# Altium PCB PA_8CH_CTRL.PcbDoc (part 2 of 11) (continued)
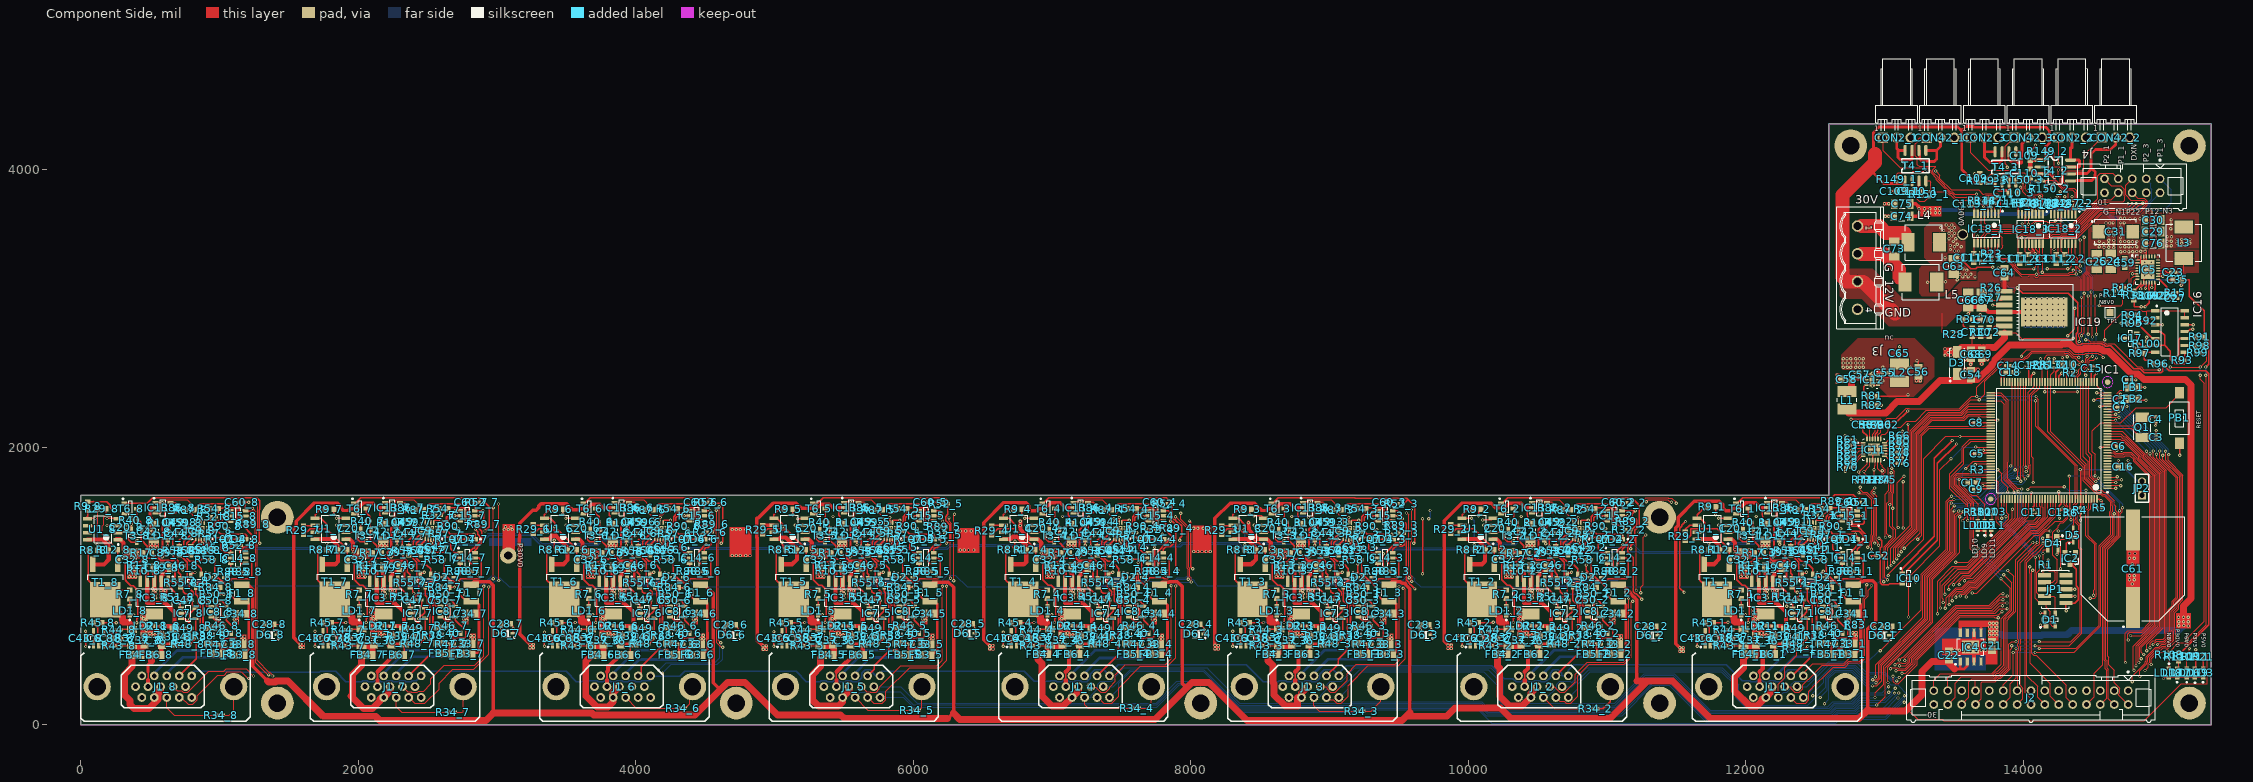
[diagram p0: Component Side view]
## Components (designator, comment, footprint, x,y, rotation, side; value= is the part's Value field where it differs from the comment) (continued)
R90_5 "82" RESC1005X40N 5999.63,1433.14 r90 top (schematic designator R90)
R90_6 "82" RESC1005X40N 4346.09,1433.14 r90 top (schematic designator R90)
R90_7 "82" RESC1005X40N 2692.54,1433.14 r90 top (schematic designator R90)
R90_8 "82" RESC1005X40N 1039,1432 r90 top (schematic designator R90)
R91 "56k" RESC1608X55N 15271.42,2798.8 r0 top
R92 "10k" RESC1005X40N 14888.78,2913.39 r90 top
R93 "10k" RESC1005X40N 15144.42,2626.8 r0 top
R94 "18k" RESC1608X55N 14783.46,2952.76 r180 top
R95 "13k" RESC1608X55N 14783.46,2893.7 r180 top
R96 "20k" RESC1608X55N 14971.46,2601.38 r0 top
R97 "1k" RESC1608X55N 14839.57,2677.17 r0 top
R98 "7k5" RESC1608X55N 15270.42,2732.8 r0 top
R99 "2k2" RESC1005X40N 15258.42,2681.8 r180 top
R100 "2k2" RESC1005X40N 14888.78,2746.06 r90 top
R101 "2k2" RESC1005X40N 13723,1537 r270 top
R102 "2k2" RESC1005X40N 13674,1534 r270 top
R103 "2k2" RESC1005X40N 13775,1537 r270 top
R104_1 "10k" RESC1005X40N 12241.17,1457.14 r0 top (schematic designator R104)
R104_2 "10k" RESC1005X40N 10548.26,1457.14 r0 top (schematic designator R104)
R104_3 "10k" RESC1005X40N 8894.72,1457.14 r0 top (schematic designator R104)
R104_4 "10k" RESC1005X40N 7241.17,1457.14 r0 top (schematic designator R104)
R104_5 "10k" RESC1005X40N 5587.63,1457.14 r0 top (schematic designator R104)
R104_6 "10k" RESC1005X40N 3934.09,1457.14 r0 top (schematic designator R104)
R104_7 "10k" RESC1005X40N 2280.54,1457.14 r0 top (schematic designator R104)
R104_8 "10k" RESC1005X40N 627,1456 r0 top (schematic designator R104)
R107_1 "330" RESC1608X55N 12659.37,1338.94 r180 top (schematic designator R107)
R107_2 "330" RESC1608X55N 10966.46,1338.94 r180 top (schematic designator R107)
R107_3 "330" RESC1608X55N 9312.91,1338.94 r180 top (schematic designator R107)
R107_4 "330" RESC1608X55N 7659.37,1338.94 r180 top (schematic designator R107)
R107_5 "330" RESC1608X55N 6005.83,1338.94 r180 top (schematic designator R107)
R107_6 "330" RESC1608X55N 4352.28,1338.94 r180 top (schematic designator R107)
R107_7 "330" RESC1608X55N 2698.74,1338.94 r180 top (schematic designator R107)
R107_8 "330" RESC1608X55N 1045.2,1337.8 r180 top (schematic designator R107)
R108 "10k" RESC1005X40N 15050.4,505.18 r270 top
R109 "10k" RESC1005X40N 15178.35,495.34 r270 top
R110 "56k" RESC1608X55N 15118.11,492.13 r90 top
R111 "2k2" RESC1005X40N 15242.05,491.21 r90 top
R112 "10k" RESC1005X40N 14221,2595 r90 top
R113 "10k" RESC1005X40N 14177,2595 r90 top
R147_1 "10k" RESC1005X40N 13795.28,3778.35 r90 top (schematic designator R147)
R147_2 "10k" RESC1005X40N 14351.38,3759.84 r90 top (schematic designator R147)
R147_3 "10k" RESC1005X40N 14118.11,3763.78 r90 top (schematic designator R147)
R148_1 "10k" RESC1005X40N 13748.03,3778.35 r90 top (schematic designator R148)
R148_2 "10k" RESC1005X40N 14299.21,3759.84 r90 top (schematic designator R148)
R148_3 "10k" RESC1005X40N 14063.98,3762.8 r90 top (schematic designator R148)
R149_1 "10k" RESC1005X40N 13088.58,3931.1 r270 top (schematic designator R149)
R149_2 "10k" RESC1005X40N 14171.26,4132.87 r180 top (schematic designator R149)
R149_3 "10k" RESC1005X40N 13737.2,3921.26 r270 top (schematic designator R149)
R150_1 "10k" RESC1005X40N 13321.85,3824.8 r270 top (schematic designator R150)
R150_2 "10k" RESC1005X40N 14185,3865 r0 top (schematic designator R150)
R150_3 "10k" RESC1005X40N 13994.09,3929.13 r90 top (schematic designator R150)
T1_1 "MJD2955G" TO228P991X239-3N-R552X520 11791.73,994.33 r270 top (schematic designator T1)
T1_2 "MJD2955G" TO228P991X239-3N-R552X520 10098.82,994.33 r270 top (schematic designator T1)
T1_3 "MJD2955G" TO228P991X239-3N-R552X520 8445.28,994.33 r270 top (schematic designator T1)
T1_4 "MJD2955G" TO228P991X239-3N-R552X520 6791.73,994.33 r270 top (schematic designator T1)
T1_5 "MJD2955G" TO228P991X239-3N-R552X520 5138.19,994.33 r270 top (schematic designator T1)
T1_6 "MJD2955G" TO228P991X239-3N-R552X520 3484.65,994.33 r270 top (schematic designator T1)
T1_7 "MJD2955G" TO228P991X239-3N-R552X520 1831.1,994.33 r270 top (schematic designator T1)
T1_8 "MJD2955G" TO228P991X239-3N-R552X520 177.56,993.19 r270 top (schematic designator T1)
T2_1 "BSS138LT1G" SOT95P240X110-3N 12444.17,1040 r270 top (schematic designator T2)
T2_2 "BSS138LT1G" SOT95P240X110-3N 10751.26,1040 r270 top (schematic designator T2)
T2_3 "BSS138LT1G" SOT95P240X110-3N 9097.72,1040 r270 top (schematic designator T2)
T2_4 "BSS138LT1G" SOT95P240X110-3N 7444.17,1040 r270 top (schematic designator T2)
T2_5 "BSS138LT1G" SOT95P240X110-3N 5790.63,1040 r270 top (schematic designator T2)
T2_6 "BSS138LT1G" SOT95P240X110-3N 4137.09,1040 r270 top (schematic designator T2)
T2_7 "BSS138LT1G" SOT95P240X110-3N 2483.54,1040 r270 top (schematic designator T2)
T2_8 "BSS138LT1G" SOT95P240X110-3N 830,1038.86 r270 top (schematic designator T2)
T3_1 "BSS138LT1G" SOT95P240X110-3N 12017.17,1364.14 r270 top (schematic designator T3)
T3_2 "BSS138LT1G" SOT95P240X110-3N 10324.26,1364.14 r270 top (schematic designator T3)
T3_3 "BSS138LT1G" SOT95P240X110-3N 8670.72,1364.14 r270 top (schematic designator T3)
T3_4 "BSS138LT1G" SOT95P240X110-3N 7017.17,1364.14 r270 top (schematic designator T3)
T3_5 "BSS138LT1G" SOT95P240X110-3N 5363.63,1364.14 r270 top (schematic designator T3)
T3_6 "BSS138LT1G" SOT95P240X110-3N 3710.09,1364.14 r270 top (schematic designator T3)
T3_7 "BSS138LT1G" SOT95P240X110-3N 2056.54,1364.14 r270 top (schematic designator T3)
T3_8 "BSS138LT1G" SOT95P240X110-3N 403,1363 r270 top (schematic designator T3)
T4_1 "IRF7304PBF" so-8 13147.64,3920.28 r90 top (schematic designator T4)
T4_2 "IRF7304PBF" so-8 14120,4070 r0 top (schematic designator T4)
T4_3 "IRF7304PBF" so-8 13796.26,3910.43 r90 top (schematic designator T4)
T6_1 "BSS138LT1G" SOT95P240X110-3N 11973.82,1559.29 r0 top (schematic designator T6)
T6_2 "BSS138LT1G" SOT95P240X110-3N 10280.91,1559.29 r0 top (schematic designator T6)
T6_3 "BSS138LT1G" SOT95P240X110-3N 8627.36,1559.29 r0 top (schematic designator T6)
T6_4 "BSS138LT1G" SOT95P240X110-3N 6973.82,1559.29 r0 top (schematic designator T6)
T6_5 "BSS138LT1G" SOT95P240X110-3N 5320.28,1559.29 r0 top (schematic designator T6)
T6_6 "BSS138LT1G" SOT95P240X110-3N 3666.73,1559.29 r0 top (schematic designator T6)
T6_7 "BSS138LT1G" SOT95P240X110-3N 2013.19,1559.29 r0 top (schematic designator T6)
T6_8 "BSS138LT1G" SOT95P240X110-3N 359.65,1558.15 r0 top (schematic designator T6)
TP1 "Test Point" TPS127 14625.98,2972.44 r0 top
U1_1 "UC3836D" D0008A_M 11760.24,1413.62 r180 top (schematic designator U1)
U1_2 "UC3836D" D0008A_M 10067.32,1413.62 r180 top (schematic designator U1)
U1_3 "UC3836D" D0008A_M 8413.78,1413.62 r180 top (schematic designator U1)
U1_4 "UC3836D" D0008A_M 6760.24,1413.62 r180 top (schematic designator U1)
U1_5 "UC3836D" D0008A_M 5106.69,1413.62 r180 top (schematic designator U1)
U1_6 "UC3836D" D0008A_M 3453.15,1413.62 r180 top (schematic designator U1)
U1_7 "UC3836D" D0008A_M 1799.61,1413.62 r180 top (schematic designator U1)
U1_8 "UC3836D" D0008A_M 159,1410 r180 top (schematic designator U1)

## Footprints (in the part's own frame and the unit in brackets; to place one, negate y for a bottom-side part, rotate by r counter-clockwise, add the part's x,y. Pads: shape width x height; smd on the part's side, far side on the other; paste and mask are expansions set on the pad)
3M_N2510-6003RB [mm] "10 Contacts - Straight .100\" x .100\" Low Profile Four-Wall Header (Solder Tail 3.94mm)"
  round 1.6 hole 1: 1(-5.08,-1.27) 2(-5.08,1.27) 3(-2.54,-1.27) 4(-2.54,1.27) 5(0,-1.27) 6(0,1.27) 7(2.54,-1.27) 8(2.54,1.27) 9(5.08,-1.27) 10(5.08,1.27)
  silkscreen extent -10.01,-4.85 10.01,4.52, body extent -10.01,-4.11 10.01,4.52, height 9.91
3M_N2530-6002RB [mm] "30 Contacts - Straight .100\" x .100\" Low Profile Four-Wall Header"
  round 1.6 hole 1: 1(-17.78,-1.27) 2(-17.78,1.27) 3(-15.24,-1.27) 4(-15.24,1.27) 5(-12.7,-1.27) 6(-12.7,1.27) 7(-10.16,-1.27) 8(-10.16,1.27) 9(-7.62,-1.27) 10(-7.62,1.27) 11(-5.08,-1.27) 12(-5.08,1.27) 13(-2.54,-1.27) 14(-2.54,1.27) 15(0,-1.27) 16(0,1.27) 17(2.54,-1.27) 18(2.54,1.27) 19(5.08,-1.27) 20(5.08,1.27) 21(7.62,-1.27) 22(7.62,1.27) 23(10.16,-1.27) 24(10.16,1.27) 25(12.7,-1.27) 26(12.7,1.27) 27(15.24,-1.27) 28(15.24,1.27) 29(17.78,-1.27) 30(17.78,1.27)
  silkscreen extent -22.71,-4.85 22.71,4.52, body extent -22.71,-4.11 22.71,4.52, height 9.91
CAPAE1900X1680N [mm] "Capacitor,Aluminum Electrolytic; 19.00mm L X 19.00mm W X 16.80mm H , IPC Medium Density"
  rect 7.5x2.5 smd: 1(-7.1,0) 2(7.1,0)
  silkscreen extent -10.72,-9.5 9.5,9.5, body extent -10.5,-9.6 10.5,9.6, height 16.8
CAPC0603X33N [mm] "Chip Capacitor, Body 0.6x0.30mm, IPC Medium Density"
  rect 0.45x0.4 smd: 1(-0.35,0) 2(0.35,0)
  body extent -0.31,-0.16 0.32,0.17, height 0.33
CAPC1005X55N [mm] "Chip Capacitor, Body 1.0x0.55mm, IPC Medium Density"
  rect 0.62x0.62 smd: 1(-0.45,0) 2(0.45,0)
  body extent -0.52,-0.27 0.53,0.28, height 0.55
CAPC1608X87N [mm] "Chip Capacitor, Body 1.6x0.8mm IPC Medium Density"
  rect 0.95x1 smd: 1(-0.8,0) 2(0.8,0)
  body extent -0.87,-0.47 0.88,0.48, height 0.87
CAPC1608X90N [mm] "Chip Capacitor, Body 1.6x0.8mm IPC Medium Density"
  rect 0.95x0.95 smd: 1(-0.75,0) 2(0.75,0)
  body extent -0.85,-0.45 0.85,0.45, height 0.9
CAPC2012X110N [mm] "Chip Capacitor, Body 2.0x1.25mm, IPC Medium Density"
  rect 1.15x1.45 smd: 1(-0.9,0) 2(0.9,0)
  silkscreen extent 0,-0.58 0,0.58, body extent -1.05,-0.67 1.05,0.68, height 1.1
CAPC2012X135N [mm] "Chip Capacitor, Body 2.0x1.25mm, IPC Medium Density"
  rect 1.05x1.4 smd: 1(-0.9,0) 2(0.9,0)
  silkscreen extent 0,-0.58 0,0.58, body extent -1.05,-0.67 1.05,0.68, height 1.25
CAPC2012X140N [mm] "Chip Capacitor, Body 2.0x1.25mm, IPC Medium Density"
  rect 1.15x1.45 smd: 1(-0.9,0) 2(0.9,0)
  silkscreen extent 0,-0.58 0,0.58, body extent -1.05,-0.67 1.05,0.68, height 1.3
CAPC3216X140N [mm] "Chip Capacitor, Body 3.2x1.6mm, IPC Medium Density"
  rect 1.15x1.8 smd: 1(-1.5,0) 2(1.5,0)
  silkscreen extent -0.5,-0.9 0.5,0.9, body extent -1.7,-0.9 1.7,0.9, height 1.4
CAPC3216X180N [mm] "Chip Capacitor, Body 3.2x1.6mm, IPC Medium Density"
  rect 1.15x1.8 smd: 1(-1.5,0) 2(1.5,0)
  silkscreen extent -0.55,-0.8 0.55,0.8, body extent -1.7,-0.9 1.7,0.9, height 1.8
CAPC3216X190N [mm] "Chip Capacitor, Body 3.2x1.6mm, IPC Medium Density"
  rect 1.45x1.9 smd: 1(-1.4,0) 2(1.4,0)
  silkscreen extent -0.3,-0.95 0.3,0.95, body extent -1.75,-0.95 1.75,0.95, height 1.9
CAPMP7343X310N [mm] "Capacitor, Polarized, Molded  Body 7.3x4.3mm, IPC Medium Density"
  rect 2.35x2.45 smd: 1(-3.1,0) 2(3.1,0)
  silkscreen extent -4.42,-2.3 3.8,2.3, body extent -3.8,-2.3 3.8,2.3, height 3.1
D0008A_M [mm] "SOIC, 8-Leads, Body 5x4mm, Pitch 1.27mm, IPC Low Density"
  rrect15% 1.65x0.65 smd: 1(-2.825,1.905) 2(-2.825,0.635) 3(-2.825,-0.635) 4(-2.825,-1.905) 5(2.825,-1.905) 6(2.825,-0.635) 7(2.825,0.635) 8(2.825,1.905)
  silkscreen extent -2.95,-2.5 1.6,2.9, body extent -3,-2.45 3,2.45, height 1.63
DIOM5127X229N [mm] "DO-214-AC/SMA Molded Diode, 2-Leads, Body 5.1x2.7mm, IPC Medium Density"
  rect 2.2x1.55 smd: 1(-2.05,0) 2(2.05,0)
  silkscreen extent -3.42,-1.4 2.65,1.45, body extent -2.67,-1.45 2.68,1.45, height 2.29
FUSRC3226X85N [mm] "Chip Resettable Fuse, 2-Leads, Body 3.2mm x 2.6mm, IPC Medium Density"
  rect 1.2x2.8 smd: 1(-1.5,0) 2(1.5,0)
  silkscreen extent -0.55,-1.3 0.55,1.3, body extent -1.7,-1.4 1.7,1.4, height 0.85
IND_MURATA-PS_8400 [mm] "Miniature Surface Mount Power Inductors, 4.5mm L X 3.3mm W X 2.9mm H, MURATA 8400 Serie"
  rect 2x3.5 smd: 1(-1.6,0) 2(1.6,0)
  silkscreen extent -0.3,-1.8 0.3,1.8, body extent -2.4,-1.8 2.4,1.8, height 2.9
INDC2012X105N [mm] "Chip Inductor, EIA 0805, Metric 2012, Body 2.0x1.25mm, IPC Medium Density"
  rect 1.15x1.45 smd: 1(-0.9,0) 2(0.9,0)
  silkscreen extent 0,-0.6 0,0.6, body extent -1.1,-0.7 1.1,0.7, height 1.1
INDM6965X300N [mm] "Inductor Molded Body, Body 6.86mm L X 6.47mm W X 3mm H, IPC Medium Density"
  rect 2.4x3.4 smd: 1(-2.9,0) 2(2.9,0)
  silkscreen extent -3.4,-3.25 3.4,3.25, body extent -3.62,-3.36 3.62,3.36, height 3
jump [mm]
  rect 1.5x1.5 hole 0.965: 1(0,0)
  round 1.5 hole 0.965: 2(0,-2.54)
  silkscreen extent -1.2,-3.81 1.2,1.27, body extent -1.26,-3.84 1.19,1.24, height 8
LED_KINGBRIGHT_KPH-1608CGCK [mm] "SMT Green LED, Case 0603, Body L 1.6 x W 0.8mm H 0.65mm"
  rect 0.8x0.8 smd: 1(-0.825,0) 2(0.825,0)
  silkscreen extent -1.82,-0.4 0.08,0.4, body extent -0.8,-0.4 0.8,0.4, height 0.65
LED_KINGBRIGHT_KPH-1608SURCK [mm] "SMT Hyper Red LED, Case 0603, Body L 1.6 x W 0.8mm H 0.65mm"
  rect 0.8x0.8 smd: 1(-0.825,0) 2(0.825,0)
  silkscreen extent -1.83,-0.4 0.08,0.4, body extent -0.8,-0.4 0.8,0.4, height 0.65
LED_OSRAM_LGL29K [mm] "Green Chip LED, 2-Leads, Body 1.7x0.8mm, IPC Medium Density"
  rect 0.8x0.8 smd: 1(-0.8,0) 2(0.8,0)
  silkscreen extent -1.92,-0.4 0.1,0.4, body extent -0.85,-0.4 0.85,0.4, height 0.67
MOLEX_22-05-7038 [mm] "2.54mm (.100\") Pitch KK® Wire-To-Board Header, Right Angle, With Friction Lock, 3 Circuits"
  rect 1.9x1.9 hole 1.2: 1(-2.54,0)
  round 1.9 hole 1.2: 2(0,-0.005) 3(2.54,0)
  silkscreen extent -3.81,1.3 3.81,14.42, body extent -3.81,-0.32 3.81,14.42, height 5.84
PB_TYCO_FSMSM [mm] "Body 3.5x6.0mm, Pushbutton Switch,  TYCO FSMSM Serie"
  rect 2.1x1.6 smd: 1(-4.65,0) 2(4.65,0)
  silkscreen extent -3,-1.75 3,1.75, body extent -5,-1.75 5,1.75, height 4.3
PHOENIX_1755752 [mm] "PCB Header, 12A 250 V, Pitch: 2.54mm, 4 Positions, MSTBVA Serie"
  round 2.1 hole 1.4: 1(-7.62,0) 2(-2.54,0) 3(2.54,0) 4(7.62,0)
  silkscreen extent -11.16,-3.84 11.16,4.77, body extent -11.16,-3.83 11.16,4.77, height 12
PLHTD10S-TR-CV [mm] "SMT 1.27 mm dual goldpin"
  rect 0.76x2.4 smd: 1(-5.715,-1.95) 2(-5.715,1.95) 3(-4.445,-1.95) 4(-4.445,1.95) 5(-3.175,-1.95) 6(-3.175,1.95) 7(-1.905,-1.95) 8(-1.905,1.95) 9(-0.635,-1.95) 10(-0.635,1.95)
  silkscreen extent -6.7,-2.58 0.3,2.5, body extent -6.5,-2.15 0.1,2.15, height 4.5
QFN50P400X400X100-25N-S220 [mm] "QFN, 0.50mm Pitch, Square; 24 Pin, 4.00mm L X 4.00mm W X 1.00mm H body (w/thermal tab 2.2 X 2.2mm), IPC Medium Density"
  oval 0.9x0.3 smd: 1(-1.95,1.25) 2(-1.95,0.75) 3(-1.95,0.25) 4(-1.95,-0.25) 5(-1.95,-0.75) 6(-1.95,-1.25) 13(1.95,-1.25) 14(1.95,-0.75) 15(1.95,-0.25) 16(1.95,0.25) 17(1.95,0.75) 18(1.95,1.25)
  oval 0.3x0.9 smd: 7(-1.25,-1.95) 8(-0.75,-1.95) 9(-0.25,-1.95) 10(0.25,-1.95) 11(0.75,-1.95) 12(1.25,-1.95) 19(1.25,1.95) 20(0.75,1.95) 21(0.25,1.95) 22(-0.25,1.95) 23(-0.75,1.95) 24(-1.25,1.95)
  rect 2.2x2.2 smd: 25(0,0)
  silkscreen extent -3.12,-2 2,2, body extent -2.07,-2.07 2.08,2.08, height 1
QFN50P400X500X80_HS-29N [mm] "QFN, 28-Leads, Body 4,00x5,00mm, Pitch 0,50mm, Thermal Pad 2,75x3,75mm, IPC Medium Density"
  oval 0.75x0.25 smd: 1(-1.9,1.75) 2(-1.9,1.25) 3(-1.9,0.75) 4(-1.9,0.25) 5(-1.9,-0.25) 6(-1.9,-0.75) 7(-1.9,-1.25) 8(-1.9,-1.75) 15(1.9,-1.75) 16(1.9,-1.25) 17(1.9,-0.75) 18(1.9,-0.25) 19(1.9,0.25) 20(1.9,0.75) 21(1.9,1.25) 22(1.9,1.75)
  oval 0.25x0.75 smd: 9(-1.25,-2.4) 10(-0.75,-2.4) 11(-0.25,-2.4) 12(0.25,-2.4) 13(0.75,-2.4) 14(1.25,-2.4) 23(1.25,2.4) 24(0.75,2.4) 25(0.25,2.4) 26(-0.25,2.4) 27(-0.75,2.4) 28(-1.25,2.4)
  rect 2.54x3.556 smd: 29(0,0)
  silkscreen extent -2.97,-2.7 2.2,2.7, body extent -2.05,-2.55 2.05,2.55, height 0.8
QFP50P2200X2200X160-144N [mm] "QFP, 144-Leads, Body 20x20mm (BSC), Pitch 0.50mm, IPC Medium Density"
  rect 1.5x0.3 smd: 1(-10.7,8.75) 2(-10.7,8.25) 3(-10.7,7.75) 4(-10.7,7.25) 5(-10.7,6.75) 6(-10.7,6.25) 7(-10.7,5.75) 8(-10.7,5.25) 9(-10.7,4.75) 10(-10.7,4.25) 11(-10.7,3.75) 12(-10.7,3.25) 13(-10.7,2.75) 14(-10.7,2.25) 15(-10.7,1.75) 16(-10.7,1.25) 17(-10.7,0.75) 18(-10.7,0.25) 19(-10.7,-0.25) 20(-10.7,-0.75) 21(-10.7,-1.25) 22(-10.7,-1.75) 23(-10.7,-2.25) 24(-10.7,-2.75) 25(-10.7,-3.25) 26(-10.7,-3.75) 27(-10.7,-4.25) 28(-10.7,-4.75) 29(-10.7,-5.25) 30(-10.7,-5.75) 31(-10.7,-6.25) 32(-10.7,-6.75) 33(-10.7,-7.25) 34(-10.7,-7.75) 35(-10.7,-8.25) 36(-10.7,-8.75) 73(10.7,-8.75) 74(10.7,-8.25) 75(10.7,-7.75) 76(10.7,-7.25) 77(10.7,-6.75) 78(10.7,-6.25) 79(10.7,-5.75) 80(10.7,-5.25) 81(10.7,-4.75) 82(10.7,-4.25) 83(10.7,-3.75) 84(10.7,-3.25) 85(10.7,-2.75) 86(10.7,-2.25) 87(10.7,-1.75) 88(10.7,-1.25) 89(10.7,-0.75) 90(10.7,-0.25) 91(10.7,0.25) 92(10.7,0.75) 93(10.7,1.25) 94(10.7,1.75) 95(10.7,2.25) 96(10.7,2.75) 97(10.7,3.25) 98(10.7,3.75) 99(10.7,4.25) 100(10.7,4.75) 101(10.7,5.25) 102(10.7,5.75) 103(10.7,6.25) 104(10.7,6.75) 105(10.7,7.25) 106(10.7,7.75) 107(10.7,8.25) 108(10.7,8.75)
  rect 0.3x1.5 smd: 37(-8.75,-10.7) 38(-8.25,-10.7) 39(-7.75,-10.7) 40(-7.25,-10.7) 41(-6.75,-10.7) 42(-6.25,-10.7) 43(-5.75,-10.7) 44(-5.25,-10.7) 45(-4.75,-10.7) 46(-4.25,-10.7) 47(-3.75,-10.7) 48(-3.25,-10.7) 49(-2.75,-10.7) 50(-2.25,-10.7) 51(-1.75,-10.7) 52(-1.25,-10.7) 53(-0.75,-10.7) 54(-0.25,-10.7) 55(0.25,-10.7) 56(0.75,-10.7) 57(1.25,-10.7) 58(1.75,-10.7) 59(2.25,-10.7) 60(2.75,-10.7) 61(3.25,-10.7) 62(3.75,-10.7) 63(4.25,-10.7) 64(4.75,-10.7) 65(5.25,-10.7) 66(5.75,-10.7) 67(6.25,-10.7) 68(6.75,-10.7) 69(7.25,-10.7) 70(7.75,-10.7) 71(8.25,-10.7) 72(8.75,-10.7) 109(8.75,10.7) 110(8.25,10.7) 111(7.75,10.7) 112(7.25,10.7) 113(6.75,10.7) 114(6.25,10.7) 115(5.75,10.7) 116(5.25,10.7) 117(4.75,10.7) 118(4.25,10.7) 119(3.75,10.7) 120(3.25,10.7) 121(2.75,10.7) 122(2.25,10.7) 123(1.75,10.7) 124(1.25,10.7) 125(0.75,10.7) 126(0.25,10.7) 127(-0.25,10.7) 128(-0.75,10.7) 129(-1.25,10.7) 130(-1.75,10.7) 131(-2.25,10.7) 132(-2.75,10.7) 133(-3.25,10.7) 134(-3.75,10.7) 135(-4.25,10.7) 136(-4.75,10.7) 137(-5.25,10.7) 138(-5.75,10.7) 139(-6.25,10.7) 140(-6.75,10.7) 141(-7.25,10.7) 142(-7.75,10.7) 143(-8.25,10.7) 144(-8.75,10.7)
  round 1 smd paste-0.51 mask+0.5: FTG1(-10.7,-10.7) FTG2(10.7,10.7)
  Component Side keep-out circle w0.1: c10.7,10.7 r1
  Component Side keep-out circle w0.1: c-10.7,-10.7 r1
  silkscreen extent -10.82,-9.55 9.55,9.57, body extent -11,-11 11,11, height 1.6
RESC1005X40N [mm] "Chip Resistor, EIA 0402, Metric 1005, Body 1.0x0.5mm, IPC Medium Density"
  rect 0.58x0.62 smd: 1(-0.47,0) 2(0.47,0)
  body extent -0.52,-0.27 0.53,0.28, height 0.4
RESC1608X55N [mm] "Chip Resistor, EIA 0603, Metric 1608, Body 1.6x0.8mm, IPC Medium Density"
  rect 0.9x1 smd: 1(-0.8,0) 2(0.8,0)
  body extent -0.87,-0.47 0.88,0.48, height 0.55
RESC3216X65N [mm] "Chip Resistor, EIA 1206, Metric 3216, Body 3.2x1.6mm, IPC Medium Density"
  rect 1.15x1.8 smd: 1(-1.45,0) 2(1.45,0)
  silkscreen extent -0.5,-0.9 0.5,0.9, body extent -1.67,-0.87 1.68,0.88, height 0.65
RESC3216X80N [mm] "Chip Resistor, EIA 1206, Metric 3216, Body 3.2x1.6mm, IPC Medium Density"
  rect 1.25x1.85 smd: 1(-1.5,0) 2(1.5,0)
  silkscreen extent -0.5,-0.8 0.5,0.8, body extent -1.67,-0.87 1.68,0.88, height 0.8
so-8 [mil]
  oval 80x24 smd: 1(0,0) 2(0,-50) 3(0,-100) 4(0,-150) 5(220,-150) 6(220,-100) 7(220,-50) 8(220,0)
  silkscreen extent 60,-175 160,25, body extent -14,-173 230,24, height 69
SOD2512X110N [mm] "Small Outline Diode Flat Lead (SOD-323), 1.70mm W X 1.25mm L X 1.10mm H body,  IPC Medium Density"
  rect 0.9x0.5 smd: 1(-1.3,0) 2(1.3,0)
  silkscreen extent -1.62,-0.65 0.85,0.87, body extent -1.35,-0.67 1.35,0.68, height 1.1
SOIC127P600X175-9N-R241X309 [mm] "SOIC 8, Pitch 1.27mm - Body 3.9x4.9mm, (w/thermal tab 2.41mm X 3.098mm), IPC Medium Density"
  rect 1.55x0.6 smd: 1(-2.65,1.905) 2(-2.65,0.635) 3(-2.65,-0.635) 4(-2.65,-1.905) 5(2.65,-1.905) 6(2.65,-0.635) 7(2.65,0.635) 8(2.65,1.905)
  rect 2.41x3.098 smd: 9(0,0)
  silkscreen extent -3.27,-2.45 1.5,2.87, body extent -3.1,-2.5 3.1,2.5, height 1.75
SOIC127P600X175-14N [mm] "SOIC 14, Pitch 1.27mm - Body 4x8.75mm, IPC Medium Density"
  rect 1.55x0.6 smd: 1(-2.7,3.81) 2(-2.7,2.54) 3(-2.7,1.27) 4(-2.7,0) 5(-2.7,-1.27) 6(-2.7,-2.54) 7(-2.7,-3.81) 8(2.7,-3.81) 9(2.7,-2.54) 10(2.7,-1.27) 11(2.7,0) 12(2.7,1.27) 13(2.7,2.54) 14(2.7,3.81)
  silkscreen extent -2.52,-4.4 1.55,4.78, body extent -3.1,-4.37 3.1,4.38, height 1.75
SON50P200X300X80-11N-R94X250 [mm] "SON, 10-Leads, Body 2x3mm, Pitch 0.5mm, Thermal Pad 0.94x2.5mm, IPC Medium Density"
  rect 0.7x0.3 smd: 1(-1.05,1) 2(-1.05,0.5) 3(-1.05,0) 4(-1.05,-0.5) 5(-1.05,-1) 6(1.05,-1) 7(1.05,-0.5) 8(1.05,0) 9(1.05,0.5) 10(1.05,1)
  rect 0.94x2.5 smd: 11(0,0)
  silkscreen extent -1.5,-1.55 1.05,1.6, body extent -1.05,-1.55 1.05,1.55, height 0.8
SOP63P600X175-16N [mm] "SOP, 0.635mm pitch; 16 pin, 3.9mm W X 4.895mm L X 1.75mm H Body, IPC Medium Density"
  rect 1.55x0.4 smd: 1(-2.7,2.222) 2(-2.7,1.587) 3(-2.7,0.952) 4(-2.7,0.317) 5(-2.7,-0.318) 6(-2.7,-0.953) 7(-2.7,-1.588) 8(-2.7,-2.223) 9(2.7,-2.222) 10(2.7,-1.587) 11(2.7,-0.952) 12(2.7,-0.317) 13(2.7,0.318) 14(2.7,0.953) 15(2.7,1.588) 16(2.7,2.223)
  silkscreen extent -3.32,-2.45 1.6,3.08, body extent -3.13,-2.49 3.13,2.49, height 1.75
SOT95P237X112-3N [mm] "SOT, 0.95mm, pitch; 3 pin,1.30mm W X 2.92mm L X 1.12mm H body, IPC Medium Density"
  rect 1.05x0.6 smd: 1(-1.15,0.95) 2(-1.15,-0.95) 3(1.15,0)
  silkscreen extent -1.53,-1.45 0.3,1.87, body extent -1.25,-1.5 1.25,1.5, height 1.1
SOT95P240X110-3N [mm] "SOT23 3-Leads, Pitch 0.95mm, Body 1.3x2.9mm, IPC Medium Density"
  rect 1.05x0.65 smd: 1(-1.15,0.95) 2(-1.15,-0.95) 3(1.15,0)
  silkscreen extent -1.52,-1.45 0.3,1.92, body extent -1.25,-1.5 1.25,1.5, height 1.1
SOT95P251X112-3N [mm] "SOT23 3-Leads, Pitch 0.95mm - Body 1.3x2.9mm, IPC Medium Density"
  rect 1.05x0.65 smd: 1(-1.2,0.95) 2(-1.2,-0.95) 3(1.2,0)
  silkscreen extent -1.57,-1.45 0.35,1.92, body extent -1.27,-1.5 1.27,1.5, height 1.12
SOT95P280X100-5N [mm] "SOT23, 0.95mm pitch; 5 pin, 1.625mm W X 2.9mm L, IPC Medium"
  rect 1.1x0.55 smd: 1(-1.35,0.95) 2(-1.35,0) 3(-1.35,-0.95) 4(1.35,-0.95) 5(1.35,0.95)
  silkscreen extent -1.77,-1.45 0.48,1.87, body extent -1.4,-1.5 1.4,1.5, height 1
SOT95P280X145-5N [mm] "SOT, 0.95mm pitch; 5 pin, 1.60mm W X 2.90mm L X 1.45mm H body, IPC Medium Density"
  rect 1.1x0.6 smd: 1(-1.3,0.95) 2(-1.3,0) 3(-1.3,-0.95) 4(1.3,-0.95) 5(1.3,0.95)
  silkscreen extent -1.72,-1.45 0.43,1.87, body extent -1.4,-1.5 1.4,1.5, height 1.45
SOT95P280X145-6N [mm] "SOT23, 6-Leads, Body 1.6x3.0mm, Pitch 0.95mm, IPC Medium Density"
  rect 1.05x0.6 smd: 1(-1.35,0.95) 2(-1.35,0) 3(-1.35,-0.95) 4(1.35,-0.95) 5(1.35,0) 6(1.35,0.95)
  silkscreen extent -1.77,-1.55 0.45,1.92, body extent -1.4,-1.5 1.4,1.5, height 1.45
SOT127P700X180-6N [mm] "SOT223, 6-Leads, Body 6.6x7.3mm (max), Pitch 1.27mm, IPC Medium Density"
  rect 2.05x0.65 smd: 1(-3,2.54) 2(-3,1.27) 3(-3,0) 4(-3,-1.27) 5(-3,-2.54)
  rect 2.05x3.2 smd: 6(3,0)
  silkscreen extent -3.92,-3.3 1.6,3.53, body extent -3.68,-3.27 3.68,3.28, height 1.8
SOT190P230X110-4N [mm] "SOT143, SOT, 1.90mm Pitch; 4 Pin, 1.30mm W X 2.90mm L X 1.10mm H body, IPC Medium Density"
  rect 1x1 smd: 1(-1.15,0.75)
  rect 1x0.6 smd: 2(-1.15,-0.95) 3(1.15,-0.95) 4(1.15,0.95)
  silkscreen extent -1.52,-1.45 0.33,1.87, body extent -1.25,-1.5 1.25,1.5, height 1.1
SOT-23 [mil]
  rect 36x36 smd: 1(0,0) 2(75,0)
  rect 36x50 smd: 3(38,80)
  silkscreen extent -20,-5 95,85, body extent -21,-5 97,93, height 47
"TEXAS_TO-PMOD (NDW)" [mm] "TEXAS Package TO-PMOD (NDW), 1.27mm pitch; 9.85mm X 10.16mm X4.57m body"
  rect 3.06x0.89 smd: 1(-5.7,3.81) 2(-5.7,2.54) 3(-5.7,1.27) 4(-5.7,0) 5(-5.7,-1.27) 6(-5.7,-2.54) 7(-5.7,-3.81)
  rect 8.54x5.35 smd: 8(1.605,0)
  silkscreen extent -3.42,-5.08 6.89,5.08, body extent -6.88,-5.08 6.89,5.08, height 4.77
TI-RTE16-1700X1700TP_V [mm] "QFN, 16-Leads, Body 3x3mm, Pitch 0.5mm, Thermal Pad 1.7x1.7mm"
  oval 0.85x0.28 smd: 1(-1.475,0.75) 2(-1.475,0.25) 3(-1.475,-0.25) 4(-1.475,-0.75) 9(1.475,-0.75) 10(1.475,-0.25) 11(1.475,0.25) 12(1.475,0.75)
  oval 0.28x0.85 smd: 5(-0.75,-1.475) 6(-0.25,-1.475) 7(0.25,-1.475) 8(0.75,-1.475) 13(0.75,1.475) 14(0.25,1.475) 15(-0.25,1.475) 16(-0.75,1.475)
  rect 1.7x1.7 smd: 17(0,0)
  silkscreen extent -2.35,-1.57 1.57,1.58, body extent -1.5,-1.5 1.5,1.5, height 0.8
TO228P991X239-3N-R552X520 [mm] "TO-252AA DPAK TO, 2.28mm pitch; 2 pin,9.905mm L X 6.095mm W X 2.39mm H body, IPC Medium Density"
  rect 2.85x1 smd: 1(-4.15,2.28) 2(-4.15,-2.28)
  rect 6.5x5.55 smd: 3(2.3,0)
  silkscreen extent -5.42,-3.25 -1.3,3.43, body extent -5.22,-3.36 5.2,3.37, height 2.45
TPS127 [mil] "1.27 x  1.27mm SMD Test Point Area"
  rect 50x50 smd paste-50: 1(0,0)
  silkscreen extent -37,-37 37,37
TYCO_1932144-1 [mm]
  round 1.6 hole 0.9: 1(-4.322,-1.98) 2(-2.036,-1.98) 3(0.25,-1.98) 4(2.536,-1.98) 5(4.822,-1.98) 6(-5.463,0) 7(-3.177,0) 8(-0.891,0) 9(1.395,0) 10(3.681,0) 11(-4.322,1.98) 12(-2.036,1.98) 13(0.25,1.98) 14(2.536,1.98) 15(4.822,1.98)
  round 5 hole 3.18: 16(-12.495,0) 17(12.495,0)
  silkscreen extent -15.49,-6.35 15.51,6.25, body extent -15.39,-6.27 15.42,6.28, height 14.61
XTAL_TXC_7A [mm] "2 Pins, 3.2x5mm, SMD Glass Seam Sealing Crystal, 7A Serie"
  rect 1.7x2.4 smd: 1(-1.85,0) 2(1.85,0)
  silkscreen extent -2.3,-1.6 2.3,1.6, body extent -2.5,-1.6 2.5,1.6, height 1.2

## Part data
C1 C2 C5 C6 C7 C8 C9 C11 C12 C13 C14 C15 C23 C39_1 C39_2 C39_3 C39_4 C39_5 C39_6 C39_7 C39_8 C43_1 C43_2 C43_3 C43_4 C43_5 C43_6 C43_7 C43_8 C44_1 C44_2 C44_3 C44_4 C44_5 C44_6 C44_7 C44_8 C45_1 C45_2 C45_3 C45_4 C45_5 C45_6 C45_7 C45_8 C46_1 C46_2 C46_3 C46_4 C46_5 C46_6 C46_7 C46_8 C47_1 C47_2 C47_3 C47_4 C47_5 C47_6 C47_7 C47_8 C49_1 C49_2 C49_3 C49_4 C49_5 C49_6 C49_7 C49_8 C50_1 C50_2 C50_3 C50_4 C50_5 C50_6 C50_7 C50_8 C51_1 C51_2 C51_3 C51_4 C51_5 C51_6 C51_7 C51_8 C52 C53 C60_1 C60_2 C60_3 C60_4 C60_5 C60_6 C60_7 C60_8 C65: library part CC0402_100NF_16V_10%_X7R, "Non-polarised capacitor", Case=0402, Manufacturer=GENERIC, Manufacturer1 ComponentHeight=0.55mm, Manufacturer1 Example=MURATA, Manufacturer1 Part Number=GRM155R71C104KA88D, Tolerance=±10%, Voltage=16V, Author="CERN DEM JLC", Component Type=Standard, HelpURL=\\cern.ch\dfs\Applications\Altium\Datasheets\CC0402_X7R_MURATA_GRM.pdf, Manufacturer Part Number=CC0402_100NF_16V_10%_X7R, Mounted=Yes, Part Description="SMD Multilayer Chip Ceramic Capacitor", Part Number=CC0402_100NF_16V_10%_X7R, Pin Count=2, SMD=Yes, Socket=No, Status="Not Recommended", TC=X7R
  C1 C2 C5 C6 C7 C8 C9 C11 C12 C13 C14 C15 C23 C43_1 C43_2 C43_3 C43_4 C43_5 C43_6 C43_7 C43_8 C45_1 C45_2 C45_3 C45_4 C45_5 C45_6 C45_7 C45_8 C47_1 C47_2 C47_3 C47_4 C47_5 C47_6 C47_7 C47_8 C60_1 C60_2 C60_3 C60_4 C60_5 C60_6 C60_7 C60_8: CreateDate=05.12.2013, LatestRevisionDate=03.12.2007, Sense=No
  C39_1 C39_2 C39_3 C39_4 C39_5 C39_6 C39_7 C39_8 C44_1 C44_2 C44_3 C44_4 C44_5 C44_6 C44_7 C44_8 C46_1 C46_2 C46_3 C46_4 C46_5 C46_6 C46_7 C46_8 C49_1 C49_2 C49_3 C49_4 C49_5 C49_6 C49_7 C49_8 C50_1 C50_2 C50_3 C50_4 C50_5 C50_6 C50_7 C50_8 C51_1 C51_2 C51_3 C51_4 C51_5 C51_6 C51_7 C51_8 C52 C53 C65: CreateDate=2013-12-05, LatestRevisionDate=2007-12-03, Table="Capacitors SMD"
C3 C4: library part CC0402_12PF_50V_5%_C0G, "Non-polarised capacitor", Case=0402, Manufacturer=GENERIC, Manufacturer1 ComponentHeight=0.55mm, Manufacturer1 Example=KEMET, Manufacturer1 Part Number=C0402C120J5GACTU, Tolerance=±5%, Voltage=50V, Author="CERN DEM JLC", Component Type=Standard, CreateDate=04.10.2016, HelpURL="\\cern.ch\dfs\Applications\Altium\Datasheets\CC0805_C0G_KEMET_(Commercial Grade).pdf", LatestRevisionDate=04.10.2016, Manufacturer Part Number=CC0402_12PF_50V_5%_C0G, Mounted=Yes, Part Description="SMD Multilayer Chip Ceramic Capacitor", Part Number=CC0402_12PF_50V_5%_C0G, Pin Count=2, Sense=No, SMD=Yes, Socket=No, Status=Preferred, TC=C0G/NP0
C10 C16: library part CC0805_10UF_10V_10%_X7R, "Non-polarised capacitor", Case=0805, Manufacturer=GENERIC, Manufacturer1 ComponentHeight=1.35mm, Manufacturer1 Example=MURATA, Manufacturer1 Part Number=GRM21BR71A106KE51L, Tolerance=±10%, Voltage=10V, Author="CERN DEM JLC", Component Type=Standard, CreateDate=2012-04-30, HelpURL=\\cern.ch\dfs\Applications\Altium\Datasheets\CC0805_X7R_MURATA.pdf, LatestRevisionDate=2012-04-30, Manufacturer Part Number=CC0805_10UF_10V_10%_X7R, Mounted=Yes, Part Description="SMD Multilayer Chip Ceramic Capacitor", Part Number=CC0805_10UF_10V_10%_X7R, Pin Count=2, SMD=Yes, Socket=No, Status=Preferred, Table="Capacitors SMD", TC=X7R